# KiCad board oresat-adcs-card.kicad_pcb (continued)
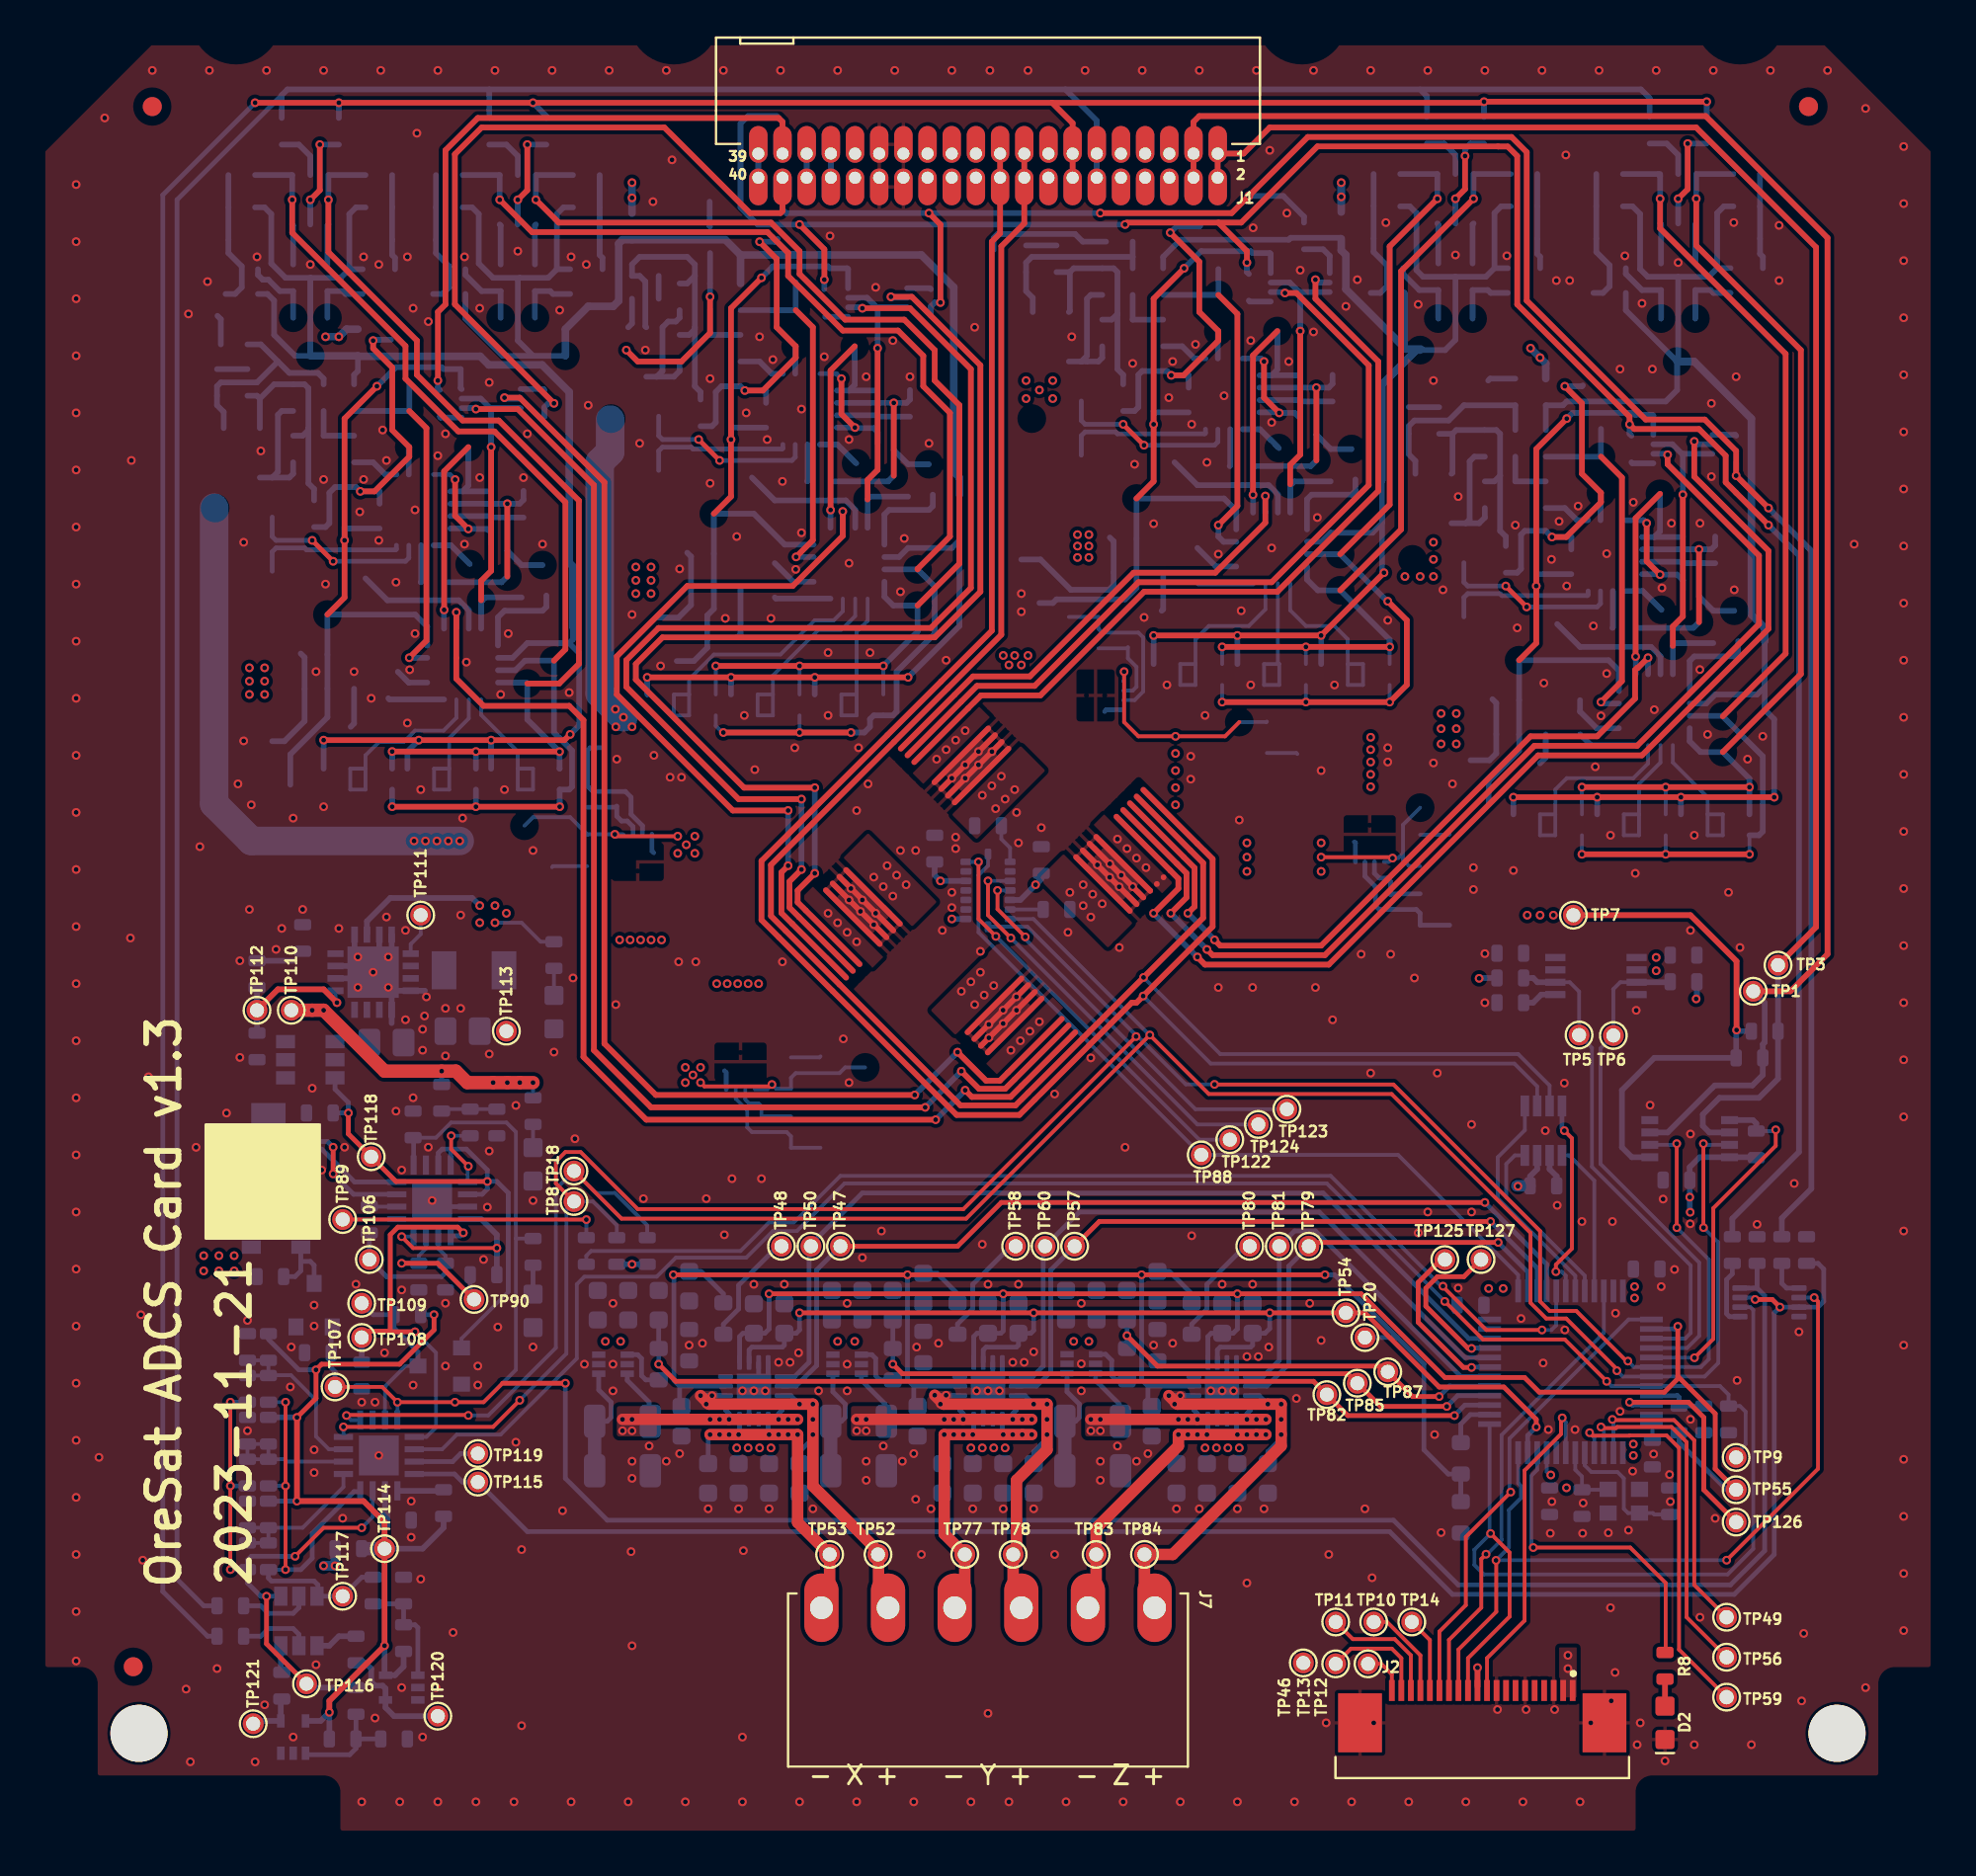
[diagram p0: board, top side]
## Placement (name value [footprint] x y rotation side) (continued)
U21  INA185  [SOT-563]  42.5 24.9 180 bottom
U22  STSPIN250  [VQFN-16-1EP_3x3mm_P0.5mm_EP1.8x1.8mm]  62.2 23.5 180 bottom
U23  INA185  [SOT-563]  54.8 24.92 180 bottom
U29  MAX7310ATE  [QFN65P400X400X80-17T210]  17.9 20.1 0 bottom
U30  MAX4211  [QFN65P400X400X80-17T210]  20.7 33.5 270 bottom
U31  TPS62111RSA  [S-PVQFN-16]  17.6 45.5 90 bottom
U32  MIC842LYC5  [SC70-5]  13.4 5.3 180 bottom
U33  MIC842LYC5  [SC70-5]  19.1 7.9 270 bottom
U41  TS5A21366DCUR  [DCU-R-PDSO-G8]  90.95 28.15 180 bottom
X2  ECS-160-10-36Q-ES-TR  [CRYSTAL_2.5X2]  83.3 17.7 180 bottom

## Library data of the parts
C5 C17-C19 C26 C27 C40-C42 C51-C56 C58-C63 C65-C68 C70-C73 C77 C100-C102 = -: ki_fp_filters: C_*
FID1-FID6 = -: ki_fp_filters: Fiducial*
J1 = -: Datasheet: https://suddendocs.samtec.com/catalog_english/tfm.pdf; DIST: Digi-Key; DPN: SAM10145-ND; MFR: Samtec; MPN: TFM-120-01-L-D-RA
J2 = -: Datasheet: https://www.te.com/usa-en/product-2-1734592-0.datasheet.pdf
J7 = -: Description: 6 Position Wire to Board Terminal Block Vertical with Board 0.138" (3.50mm) Through Hole; ki_fp_filters: Connector*:*_1x??_*
R15-R18 R20-R25 R29 R30 R130-R135 = -: ki_fp_filters: R_*
U3 U16 U22 = -: Datasheet: https://www.st.com/resource/en/datasheet/stspin250.pdf
U4 U21 U23 = -: Datasheet: https://www.ti.com/lit/ds/symlink/ina185.pdf; ki_fp_filters: SOT?23*

## Footprints (pads in the part's own frame, mm; a bottom-side part is the same pattern mirrored in y, then rotated)
1X01
  round 1.1 hole 0.737: 1(0,0)
21-0036K-L
  rect 1.06x0.376 smd: 1(-2.134,0.975) 2(-2.134,0.325) 3(-2.134,-0.325) 4(-2.134,-0.975) 5(2.134,-0.975) 6(2.134,-0.325) 7(2.134,0.325) 8(2.134,0.975)
0603-C-NOSILK
  rrect 0.6x0.9 smd: 1(-0.7,0) 2(0.7,0)
0805-B-NOSILK
  rrect 1.15x1.45 smd: 1(-0.9,0) 2(0.9,0)
C_0603_1608Metric
  rrect 0.9x0.95 smd: 1(-0.775,0) 2(0.775,0)
CRYSTAL_2.5X2
  rect 0.9x0.8 smd: 1(-0.825,-0.625) 2(0.825,-0.625) 3(0.825,0.625) 4(-0.825,0.625)
DCU-R-PDSO-G8
  rrect 0.8x0.3 smd: 1(-1.55,0.75) 2(-1.55,0.25) 3(-1.55,-0.25) 4(-1.55,-0.75) 5(1.55,-0.75) 6(1.55,-0.25) 7(1.55,0.25) 8(1.55,0.75)
ECS-MPI4040
  rect 2x1.3 smd: 1(0,1.575) 2(0,-1.575)
Fiducial_1mm_Mask2mm
  round 1 smd: (0,0)
J-SAMTEC-TFM-120-X1-XXX-D-RA
  oval 0.965x1.93 hole 0.635: 1(12.065,0.635) 2(12.065,-0.635) 3(10.795,0.635) 4(10.795,-0.635) 5(9.525,0.635) 6(9.525,-0.635) 7(8.255,0.635) 8(8.255,-0.635) 9(6.985,0.635) 10(6.985,-0.635) 11(5.715,0.635) 12(5.715,-0.635) 13(4.445,0.635) 14(4.445,-0.635) 15(3.175,0.635) 16(3.175,-0.635) 17(1.905,0.635) 18(1.905,-0.635) 19(0.635,0.635) 20(0.635,-0.635) 21(-0.635,0.635) 22(-0.635,-0.635) 23(-1.905,0.635) 24(-1.905,-0.635) 25(-3.175,0.635) 26(-3.175,-0.635) 27(-4.445,0.635) 28(-4.445,-0.635) 29(-5.715,0.635) 30(-5.715,-0.635) 31(-6.985,0.635) 32(-6.985,-0.635) 33(-8.255,0.635) 34(-8.255,-0.635) 35(-9.525,0.635) 36(-9.525,-0.635) 37(-10.795,0.635) 38(-10.795,-0.635) 39(-12.065,0.635) 40(-12.065,-0.635)
J-TE-2-1734592-0
  rect 0.3x1.1 smd: 1(-4.75,-1.7) 2(-4.25,-1.7) 3(-3.75,-1.7) 4(-3.25,-1.7) 5(-2.75,-1.7) 6(-2.25,-1.7) 7(-1.75,-1.7) 8(-1.25,-1.7) 9(-0.75,-1.7) 10(-0.25,-1.7) 11(0.25,-1.7) 12(0.75,-1.7) 13(1.25,-1.7) 14(1.75,-1.7) 15(2.25,-1.7) 16(2.75,-1.7) 17(3.25,-1.7) 18(3.75,-1.7) 19(4.25,-1.7) 20(4.75,-1.7)
  rect 2.3x3.1 smd: PAD1(6.42,0) PAD2(-6.42,0)
J-Wurth-691243100006
  oval 1.8x3.6 hole 1.2: 1(-8.75,0) 2(-5.25,0) 3(-1.75,0) 4(1.75,0) 5(5.25,0) 6(8.75,0)
LED-0603
  rrect 1x1 smd: A(-0.877,0) C(0.877,0)
MS8
  rect 0.42x0.889 smd: 1(-0.975,-2.095) 2(-0.325,-2.095) 3(0.325,-2.095) 4(0.975,-2.095) 5(0.975,2.095) 6(0.325,2.095) 7(-0.325,2.095) 8(-0.975,2.095)
ORESAT-CARD-V1.3-0RF
  round 3 hole 3 unplated: (-44.6,-44.3) (44.6,-44.3)
PQFN50P450X300X100-16N
  rrect 0.35x0.58 smd: 1(-1.5,1.16) 2(-1,1.16) 3(-0.5,1.16) 4(0,1.16) 5(0.5,1.16) 6(1,1.16) 7(1.5,1.16) 9(1.5,-1.16) 10(1,-1.16) 11(0.5,-1.16) 12(0,-1.16) 13(-0.5,-1.16) 14(-1,-1.16) 15(-1.5,-1.16)
  rrect 0.58x0.35 smd: 8(1.91,0) 16(-1.91,0)
QFN65P400X400X80-17T210
  rect 1.01x0.32 smd: 1(-1.86,0.975) 2(-1.86,0.325) 3(-1.86,-0.325) 4(-1.86,-0.975) 9(1.86,-0.975) 10(1.86,-0.325) 11(1.86,0.325) 12(1.86,0.975)
  rect 0.32x1.01 smd: 5(-0.975,-1.86) 6(-0.325,-1.86) 7(0.325,-1.86) 8(0.975,-1.86) 13(0.975,1.86) 14(0.325,1.86) 15(-0.325,1.86) 16(-0.975,1.86)
  rect 2.1x2.1 smd: EPAD(0,0)
R1206
  rect 1.6x1.803 smd: 1(-1.422,0) 2(1.422,0)
R_0603_1608Metric
  rrect 0.8x0.95 smd: 1(-0.825,0) 2(0.825,0)
R_1206_3216Metric
  rrect 1.125x1.75 smd: 1(-1.462,0) 2(1.462,0)
S-PVQFN-16
  rect 0.85x0.35 smd: 1(-1.975,0.975) 2(-1.975,0.325) 3(-1.975,-0.325) 4(-1.975,-0.975) 9(1.975,-0.975) 10(1.975,-0.325) 11(1.975,0.325) 12(1.975,0.975)
  rect 0.35x0.85 smd: 5(-0.975,-1.975) 6(-0.325,-1.975) 7(0.325,-1.975) 8(0.975,-1.975) 13(0.975,1.975) 14(0.325,1.975) 15(-0.325,1.975) 16(-0.975,1.975)
  rect 2.7x2.7 smd: PAD(0,0)
SC70-5
  rect 0.4x0.7 smd: 1(-0.65,-0.85) 2(0,-0.85) 3(0.65,-0.85) 4(0.65,0.85) 5(-0.65,0.85)
SOT23
  rect 0.787x0.889 smd: 1(-0.953,-1.143) 2(0.953,-1.143) 3(0,1.143)
SOT23-6
  rect 0.7x1 smd: 1(-0.95,-1.3) 2(0,-1.3) 3(0.95,-1.3) 4(0.95,1.3) 5(0,1.3) 6(-0.95,1.3)
SOT23-8_TI-DCN
  rect 0.45x1.1 smd: 1(-0.975,-1.3) 2(-0.325,-1.3) 3(0.325,-1.3) 4(0.975,-1.3) 5(0.975,1.3) 6(0.325,1.3) 7(-0.325,1.3) 8(-0.975,1.3)
SOT-563
  rect 0.7x0.34 smd: 1(-0.75,0.5) 2(-0.75,0) 3(-0.75,-0.5) 4(0.75,-0.5) 5(0.75,0) 6(0.75,0.5)
STM32F091C
  rect 0.3x1.2 smd: 1(-2.75,-4.25) 2(-2.25,-4.25) 3(-1.75,-4.25) 4(-1.25,-4.25) 5(-0.75,-4.25) 6(-0.25,-4.25) 7(0.25,-4.25) 8(0.75,-4.25) 9(1.25,-4.25) 10(1.75,-4.25) 11(2.25,-4.25) 12(2.75,-4.25) 25(2.75,4.25) 26(2.25,4.25) 27(1.75,4.25) 28(1.25,4.25) 29(0.75,4.25) 30(0.25,4.25) 31(-0.25,4.25) 32(-0.75,4.25) 33(-1.25,4.25) 34(-1.75,4.25) 35(-2.25,4.25) 36(-2.75,4.25)
  rect 1.2x0.3 smd: 13(4.25,-2.75) 14(4.25,-2.25) 15(4.25,-1.75) 16(4.25,-1.25) 17(4.25,-0.75) 18(4.25,-0.25) 19(4.25,0.25) 20(4.25,0.75) 21(4.25,1.25) 22(4.25,1.75) 23(4.25,2.25) 24(4.25,2.75) 37(-4.25,2.75) 38(-4.25,2.25) 39(-4.25,1.75) 40(-4.25,1.25) 41(-4.25,0.75) 42(-4.25,0.25) 43(-4.25,-0.25) 44(-4.25,-0.75) 45(-4.25,-1.25) 46(-4.25,-1.75) 47(-4.25,-2.25) 48(-4.25,-2.75)
TestPoint-0.75mm-th
  round 1.1 hole 0.75: 1(0,0)
VQFN-16-1EP_3x3mm_P0.5mm_EP1.8x1.8mm
  rrect 0.73x0.73 smd: (-0.45,-0.45) (-0.45,0.45) (0.45,-0.45) (0.45,0.45)
  rrect 0.775x0.25 smd: 1(-1.488,0.75) 2(-1.488,0.25) 3(-1.488,-0.25) 4(-1.488,-0.75) 9(1.488,-0.75) 10(1.488,-0.25) 11(1.488,0.25) 12(1.488,0.75)
  rrect 0.25x0.775 smd: 5(-0.75,-1.488) 6(-0.25,-1.488) 7(0.25,-1.488) 8(0.75,-1.488) 13(0.75,1.488) 14(0.25,1.488) 15(-0.25,1.488) 16(-0.75,1.488)
  rect 1.8x1.8 smd: 17(0,0)

## Nets
3.3V: C1.1 C3.1 C4.1 C16.1 C28.2 C29.2 C37.2 C38.2 C39.2 C41.1 C42.1 C47.1 C51.1 C54.1 C62.1 C63.1 J2.11 L3.2 R1.2 R3.2 R10.1 R11.2 R12.2 R199.2 TP113.1 U1.1 U1.2 U2.8 U4.6 U13.3 U13.7 U13.11 U14.3 U15.1 U15.9 U15.24 U15.36 U15.48 U21.6 U23.6 U31.10
GND: C1.2 C2.2 C3.2 C4.2 C5.2 C16.2 C17.2 C18.2 C19.2 C26.2 C27.2 C28.1 C29.1 C30.2 C36.2 C37.1 C38.1 C39.1 C40.2 C41.2 C42.2 C43.1 C45.2 C46.2 C47.2 C48.2 C49.2 C50.2 C51.2 C52.2 C53.2 C54.2 C55.2 C56.2 C58.2 C59.2 C60.2 C61.2 C62.2 C63.2 C65.2 C66.2 C67.2 C68.2 C70.2 C71.2 C72.2 C73.2 C77.2 C99.1 C100.2 C101.2 C102.2 D2.C D16.C D17.C D18.C J1.27 J1.28 J1.29 J1.30 J2.3 J2.6 J2.9 J2.PAD1 J2.PAD2 Q28.2 Q29.2 R2.1 R4.1 R5.1 R7.1 R18.2 R21.1 R24.2 R30.2 R124.1 R129.1 R133.1 R134.1 R135.1 R203.1 R207.1 R211.1 R216.1 R218.1 R220.1 R222.1 R224.1 R228.1 TP46.1 U1.4 U2.4 U3.7 U3.15 U3.16 U3.17 U4.2 U4.5 U13.4 U13.6 U14.2 U15.8 U15.23 U15.35 U15.47 U16.7 U16.15 U16.16 U16.17 U21.2 U21.5 U22.7 U22.15 U22.16 U22.17 U23.2 U23.5 U29.6 U29.EPAD U30.7 U30.EPAD U31.1 U31.6 U31.7 U31.9 U31.11 U31.12 U31.16 U31.PAD U32.2 U33.2 U41.4 X2.2 X2.4
VBUS: J1.23 J1.24 J1.25 J1.26 Q27.4 R215.2
VBUSP: C26.1 C44.2 C45.1 C46.1 C52.1 C58.1 C60.1 C70.1 C72.1 J2.1 J2.2 Q26.1 Q26.2 Q26.5 Q26.6 R198.2 R227.2 TP110.1 U3.6 U16.6 U22.6 U31.2 U31.3 U31.4 U31.8
/Card Power Domain/AD0: R201.1 R202.2 R203.2 R204.1 U29.1
/Card Power Domain/AD1: R205.1 R206.2 R207.2 R208.1 U29.2
/Card Power Domain/AD2: R209.1 R210.2 R211.2 R212.1 U29.3
/Card Power Domain/CB-RESET: R218.2 TP108.1 U29.9 U30.9
/Card Power Domain/CB_CTRL: Q26.3 Q29.1 R223.1 TP118.1 U30.3 U30.4 U30.6
/Card Power Domain/ON/~{OFF}: C48.1 C99.2 Q28.1 R216.2 R267.2 TP107.1 U29.8 U30.1 U41.8
/Card Power Domain/PEN-SCL-FILT: Q30.4 R202.1 R206.1 R210.1 R273.2 TP116.1 U29.15
/Card Power Domain/PEN-SDA-FILT: Q30.6 R204.2 R208.2 R212.2 R269.2 TP117.1 U29.16
/Card Power Domain/~{FAULT}: Q29.3 R226.1 TP109.1 U29.7
/Magnetorquers/MT_REF: C5.1 C53.1 C65.1 R20.1 R21.2 TP20.1 U3.11 U16.11 U22.11
/Microcontroller/PA0: R8.2 U15.10
BOOT0: R7.2 TP9.1 U15.44 U29.10
C3-UART-RX: J1.38 R122.1
C3-UART-TX: J1.37 R123.1
CAN1_H: J1.33 J1.34
CAN1_L: J1.35 J1.36
CAN2_H: U14.7
CAN2_L: U14.6
CAN_RX: U14.4 U15.32
CAN_SHDN: U14.5 U15.31
CAN_TX: U14.1 U15.33
IMU_INT1: TP88.1 U13.16 U15.25
IMU_INT2: TP122.1 U13.1
IMU_INT3: TP123.1 U13.12
IMU_INT4: TP124.1 U13.13
MAG_PWR: C2.1 J1.5 J1.6 R6.1 R13.1 TP7.1 U1.7 U1.8 U2.1
MAG_READY: R10.2 U2.5 U15.41
MAG_SCL: J1.3 J1.4 R13.2 TP1.1 U2.3
MAG_SDA: J1.1 J1.2 R6.2 TP3.1 U2.6
MAG_~{EN}: R3.1 TP6.1 U1.3 U15.40
MAG_~{FAULT}: R1.1 TP5.1 U1.6 U15.39
MT_EN: R22.1 R129.2 U15.45
MT_EN/~{FAULT}: C17.1 C66.1 C77.1 R22.2 TP55.1 U3.13 U15.38 U16.13 U22.13
MT_ILIM: R20.2 U15.14
MT_STBY/RST: C18.1 C55.1 C67.1 TP54.1 U3.14 U15.11 U16.14 U22.14
MT_X_ISENSE: C100.1 R130.2 TP82.1 U15.15
MT_X_OUT_A: C40.1 J7.5 TP52.1 U3.3 U3.10
MT_X_OUT_B: C27.1 J7.6 TP53.1 U3.5 U3.8
MT_X_PHASE: TP50.1 U3.1 U15.22
MT_X_PWM: TP47.1 U3.2 U15.28
MT_Y_ISENSE: C101.1 R131.2 TP85.1 U15.16
MT_Y_OUT_A: C61.1 J7.3 TP78.1 U16.3 U16.10
MT_Y_OUT_B: C59.1 J7.4 TP77.1 U16.5 U16.8
MT_Y_PHASE: TP60.1 U15.20 U16.1
MT_Y_PWM: TP57.1 U15.27 U16.2
MT_Z_ISENSE: C102.1 R132.2 TP87.1 U15.17
MT_Z_OUT_A: C73.1 J7.1 TP84.1 U22.3 U22.10
MT_Z_OUT_B: C71.1 J7.2 TP83.1 U22.5 U22.8
MT_Z_PHASE: TP81.1 U15.18 U22.1
MT_Z_PWM: TP79.1 U15.26 U22.2
NRESET: J2.10 U15.7
OPD_PWR: J1.15 J1.16 R200.1
OPD_SCL: J1.13 J1.14 R271.1
OPD_SDA: J1.11 J1.12 R213.1
PA2/USART2_TX: J2.13 U15.12 U41.2
PA3/USART2_RX: J2.12 U15.13 U41.6
PA8/POUTPROT: R9.2 U15.29
PA9/CAN_SILENT: U14.8 U15.30
PB6/SCL: R11.1 TP8.1 U2.2 U13.8 U15.42 U29.4
PB7/SDA: R12.1 TP18.1 U2.7 U13.9 U15.43 U29.5
POUT: R9.1 TP89.1 U30.13
SPARE7: J1.7
SPARE8: J1.8
SPARE9: J1.9
SPARE10: J1.10
SPARE21: J1.21
SPARE22: J1.22
SPARE31: J1.31
SPARE32: J1.32
SWCLK: J2.15 U15.37
SWDIO: J2.14 U15.34
VPD: C43.2 R200.2 R201.2 R205.2 R209.2 R214.2 R226.2 R270.2 R274.2 TP114.1 U29.14 U32.5 U33.5
~{SD}: J1.39 J1.40
Net-(C19-Pad1): C19.1 R17.2
Net-(C44-Pad1): C44.1 R224.2 R225.2
Net-(C56-Pad1): C56.1 R23.2
Net-(C68-Pad1): C68.1 R29.2
Net-(D2-PadA): D2.A R8.1
Net-(D16-PadA): D16.A R198.1
Net-(D17-PadA): D17.A R199.1
Net-(D18-PadA): D18.A R267.1
Net-(J1-Pad17): J1.17 J1.18
Net-(J1-Pad19): J1.19 J1.20
Net-(J2-DEBUG-0): J2.17 TP10.1
Net-(J2-DEBUG-1): J2.18 TP11.1
Net-(J2-DEBUG-2): J2.19 TP12.1
Net-(J2-DEBUG-3): J2.20 TP13.1
Net-(J2-SWO): J2.16 TP14.1
Net-(L3-Pad1): L3.1 U31.14 U31.15
Net-(Q26-S): Q26.4 R217.2 R223.2 U30.15
Net-(Q27-G): Q27.3 Q28.3 R215.1
Net-(Q30A-G): Q30.1 R268.2
Net-(Q30A-S): Q30.5 R213.2
Net-(Q30B-G): Q30.3 R272.2
Net-(Q30B-S): Q30.2 R271.2
Net-(R130-Pad1): R130.1 U4.1
Net-(R131-Pad1): R131.1 U21.1
Net-(R132-Pad1): R132.1 U23.1
Net-(U1-SET): R2.2 U1.5
Net-(U3-SENSEA): R15.2 U3.4 U3.9 U4.3
Net-(U3-TOFF): R17.1 R18.1 TP48.1 U3.12
Net-(U4--): R15.1 R133.2 U4.4
Net-(U13-SDO1): R5.2 U13.15
Net-(U13-SDO2): R4.2 U13.10
Net-(U15-PB1): TP125.1 U15.19
Net-(U15-PB9): TP126.1 U15.46
Net-(U15-PB10): TP127.1 U15.21
Net-(U15-PC13): TP49.1 U15.2
Net-(U15-PC14-OSC32_IN): TP56.1 U15.3
Net-(U15-PC15-OSC32_OUT): TP59.1 U15.4
Net-(U15-PF0-OSC_IN): C36.1 U15.5 X2.1
Net-(U15-PF1-OSC_OUT): C30.1 U15.6 X2.3
Net-(U16-SENSEA): R16.2 U16.4 U16.9 U21.3
Net-(U16-TOFF): R23.1 R24.1 TP58.1 U16.12
Net-(U21--): R16.1 R134.2 U21.4
Net-(U22-SENSEA): R25.2 U22.4 U22.9 U23.3
Net-(U22-TOFF): R29.1 R30.1 TP80.1 U22.12
Net-(U23--): R25.1 R135.2 U23.4
Net-(U29-IO6): TP119.1 U29.11
Net-(U29-IO7): R124.2 TP115.1 U29.12 U41.3 U41.7
Net-(U29-~{RESET}): R214.1 U29.13
Net-(U30-CIN1+): R219.1 R220.2 TP106.1 U30.10
Net-(U30-CIN1-): R221.1 R222.2 TP90.1 U30.11
Net-(U30-CIN2+): R221.2 U30.8 U30.12
Net-(U30-INHIBIT): R225.1 U30.5
Net-(U30-IOUT): R219.2 U30.14
Net-(U30-RS+): Q27.1 Q27.2 Q27.5 Q27.6 R217.1 U30.16
Net-(U31-PG): TP111.1 U31.13
Net-(U31-SYNC): R227.1 R228.2 TP112.1 U31.5
Net-(U32-INP): C50.1 R273.1 R274.1 U32.1
Net-(U32-OUT): R272.1 TP121.1 U32.4
Net-(U33-INP): C49.1 R269.1 R270.1 U33.1
Net-(U33-OUT): R268.1 TP120.1 U33.4
Net-(U41-NO1): R122.2 U41.1
Net-(U41-NO2): R123.2 U41.5

Pads without a net: J2 4 5 7 8; U13 2 5 14; U30 2; U32 3; U33 3

## Via types
v1: diameter 0.457, hole 0.254, Top to Bottom, 1130 vias

## Routing (per net, layer and track width the routed paths; a pad name or vN(x,y) marks a point on that pad's centre or on a via; arc(x,y) is an arc through that point)
3.3V: length 48.4
  Top w0.3: 75.61,7.95 v1(75.61,8.95)
  In1.Cu w0.3: v1(52.4,50.1) 51.9,49.6 51.9,48.3 ; v1(47.4,50.3) 48.4,50.3 49.5,49.2 51,49.2 51.9,48.3 ; 51.9,48.3 v1(48,48.3) ; 51.9,48.3 55.85,44.35
  Bottom w0.2: U15.9 79.25,19.25 79.4,19.1 ; C28.2 84.8,21.7 U15.48 ; R199.2 26.4,47.1 25.4,48.1 v1(24,48.1)
  Bottom w0.3: C4.1 52.7,50.4 v1(52.4,50.1) 51.6,49.3 U13.11 ; C16.1 47.1,50.6 v1(47.4,50.3) U13.3 ; R12.2 v1(31.2,30.15) R11.2 ; 75.64,45.2 R1.2 ; U13.7 v1(48,48.3) ; C37.2 78.38,34.78 78.75,35.15 U14.3 ; R10.1 90.23,35.78 U2.8 87.28,35.78 86.76,35.25 86.76,34.58 C3.1 v1(86.76,33.68) 86.76,32.91 v1(86.79,32.89) ; U31.10 17.28,48.18 18.5,49.4 22.8,49.4 v1(23.2,49) ; R3.2 87.14,44.14 v1(87.1,44.1)
  Bottom w0.6: C37.2 77.68,34.28
  vias: v1(23.2,48.1) v1(24,49) v1(24.6,48.6) v1(29.8,26.1) v1(30.6,26.1) v1(42,26.1) v1(42.9,26.1) v1(54.4,26.1) v1(55.2,26.1) v1(75.7,45.18) v1(76.2,28.88) v1(76.96,28.88) v1(77.74,34.25) v1(79.46,19.08) v1(80.29,18.4) v1(83.8,20.7) v1(83.8,20.1) v1(83.86,28.98) v1(83.86,28.38) v1(85,46.28) v1(85,45.58)
GND: length 102
  Top w0.3: 54.53,51.55 57.35,48.73 ; 49.89,41.29 52.71,44.11 ; 44.57,47.34 41.74,50.17 ; 47.79,54.78 48.7,55.69 v1(48.7,55.7) v1(49.4,56.4) 49.41,56.4 v1(50.11,57.09) 50.62,57.61 ; 52.36,44.47 v1(51.4,43.5) v1(50.7,42.8) v1(49.95,42.05) 49.53,41.64 ; 42.09,50.52 44.92,47.69 ; 57.71,49.08 v1(56.79,49.99) v1(56.29,50.49) v1(55.64,51.14) 54.88,51.91 ; 47.44,55.13 48,55.69 v1(48,55.7) v1(48.7,56.4) v1(49.4,57.1) 49.41,57.1 50.27,57.96 ; 47.09,55.49 49.91,58.31 ; 58.41,49.79 55.59,52.61 ; 50.97,57.25 48.15,54.43 ; 52.01,44.82 v1(51.39,44.21) v1(50.69,43.51) v1(49.94,42.76) 49.18,41.99 ; 51.65,45.17 48.83,42.35 ; 41.39,49.81 44.21,46.99 ; 58.06,49.43 57.5,49.99 v1(57.5,50) v1(56.9,50.6) v1(56.3,51.2) 56.29,51.2 55.23,52.26 ; 42.45,50.87 45.27,48.05
  Bottom w0.25: v1(50.5,23.5) 50.65,23.65 U16.16 ; U3.7 37.35,23.25 v1(37.6,23.5) 37.85,23.75 U3.15 ; 56.03,59.21 56.12,59.3 57,59.3 ; 69.2,51.3 69.2,52.3 69.15,52.35 ; U22.7 61.95,23.25 v1(62.2,23.5) 62.45,23.75 U22.15 ; U3.16 38.35,23.65 v1(38.2,23.5) ; 36.06,40.32 36.15,40.23 36.15,39.35 ; U16.7 49.65,23.25 v1(49.9,23.5) 50.15,23.75 U16.15 ; U30.7 21.03,33.18 v1(20.7,33.5) ; v1(62.8,23.5) 62.95,23.65 U22.16 ; 32.25,52.75 32.25,51.87 32.34,51.78
  Bottom w0.3: 15.62,45.83 17.28,45.83 v1(17.6,45.5) ; 18.58,44.53 U31.16 20.32,44.53 ; 18.58,44.53 U31.1 18.58,42.83 ; 18.58,44.53 v1(17.6,45.5) ; v1(17.6,45.5) 17.93,45.83 U31.11 ; v1(17.6,45.5) 18.58,46.48 U31.12 ; v1(17.6,45.5) 17.28,45.18 15.62,45.18 ; v1(17.6,45.5) 16.62,46.48 16.62,47.48 ; U14.2 79.4,35.15 79.78,34.78 C37.1
  vias: v1(2,86.9) v1(2,83.9) v1(2,80.9) v1(2,77.9) v1(2,74.9) v1(2,71.9) v1(2,68.9) v1(2,65.9) v1(2,62.9) v1(2,59.9) v1(2,56.9) v1(2,53.9) v1(2,50.9) v1(2,47.9) v1(2,44.9) v1(2,41.9) v1(2,38.9) v1(2,35.9) v1(2,32.9) v1(2,29.9) v1(2,26.9) v1(2,23.9) v1(2,20.9) v1(2,17.9) v1(2,14.9) v1(2,11.9) v1(2,9.3) v1(3.2,20) v1(3.5,90.4) v1(4.9,72.4) v1(4.85,47.3) v1(5.4,27.5) v1(5.5,14.6) v1(5.8,40) v1(6,92.9) v1(7.78,7.83) v1(7.9,80.1) v1(8,4) v1(8.3,36.3) v1(8.5,52.1) v1(8.9,81.8) v1(9,92.9) v1(9.4,8.9) v1(9.9,38.1) v1(10.5,55.4) v1(10.6,46.1) v1(10.6,41.02) v1(10.8,68.1) v1(10.8,57.66) v1(11,27.2) v1(11,21.4) v1(11,17) v1(11.1,48.8) v1(11.2,54.3) v1(11.4,4) v1(11.5,83.1) v1(11.7,72.9) v1(11.9,7) v1(12,92.9) v1(12.5,46.7) v1(12.8,47.8) v1(13.25,23.7) v1(13.3,25.8) v1(13.4,53.6) v1(13.4,5.3) v1(13.9,48.8) v1(14.3,82.7) v1(14.4,39.4) v1(14.5,28) v1(14.5,26.9) v1(14.5,20.4) v1(14.5,19.2) v1(14.6,61.3) v1(14.6,9.1) v1(14.9,35.1) v1(15,92.9) v1(15,71.4) v1(15,54.2) v1(15.1,65.9) v1(15.8,47.8) v1(16,16.8) v1(16.1,36.3) v1(16.6,61.3) v1(16.7,29.1) v1(16.8,46.3) v1(16.8,44.7) v1(16.9,69.7) v1(17,22.9) v1(17,1.9) v1(17.1,83.1) v1(17.1,71.4) v1(17.5,59.9) v1(17.7,22.9) v1(17.7,6.3) v1(17.9,82.7) v1(17.9,68.2) v1(17.9,20.1) v1(18,92.9) v1(18.1,74) v1(18.2,25.5) v1(18.3,72.4) v1(18.3,48.4) v1(18.4,46.3) v1(18.4,44.7) v1(18.8,66) v1(18.8,38.2) v1(19,1.9) v1(19.1,35.1) v1(19.1,28.8) v1(19.1,7.9) v1(19.3,47.7) v1(19.3,43) v1(19.4,83.1) v1(19.4,58.6) v1(19.52,61.4) v1(19.6,17.7) v1(19.6,15.8) v1(19.7,80.4) v1(19.7,38.9) v1(19.7,23.8) v1(19.8,69.8) v1(19.8,63.3) v1(19.9,89.6) v1(20.1,55.1) v1(20.1,13.6) v1(20.2,42.5) v1(20.2,41.4) v1(20.2,5.3) v1(20.3,43.2) v1(20.4,44.2) v1(20.5,79.7) v1(20.5,36.3) v1(20.9,7.9) v1(21,92.9) v1(21,72.65) v1(21,1.9) v1(21.4,73.8) v1(21.4,43.6) v1(21.4,41.1) v1(21.4,28.1) v1(21.4,24.8) v1(21.8,10.8) v1(22.2,48.5) v1(22.2,43.6) v1(22.3,53.6) v1(22.4,83.1) v1(22.4,68) v1(22.5,61.8) v1(23,1.9) v1(23.1,24.8) v1(23.1,23.8) v1(23.2,80.4) v1(23.2,71.5) v1(23.4,30.4) v1(23.6,33.15) v1(23.7,76.5) v1(23.7,41.2) v1(23.7,36.1) v1(24,92.9) v1(24.15,26.85) v1(24.3,60.1) v1(24.5,55.1) v1(24.7,63.3) v1(25,1.9) v1(25.1,38.5) v1(25.1,20.8) v1(25.2,83.4) v1(25.4,15.16) v1(25.4,5.9) v1(25.5,71.5) v1(25.7,73.8) v1(26,51.9) v1(26,33.5) v1(26,25.8) v1(26.5,68) v1(27,92.9) v1(27.1,41.3) v1(27.4,80.3) v1(27.55,17.2) v1(27.9,60.2) v1(28,83.1) v1(28,1.9) v1(28.1,45.2) v1(28.2,36.75) v1(28.7,24.9) v1(28.8,82.7) v1(28.9,75.3) v1(30,92.9) v1(30.2,28.1) v1(30.2,24.9) v1(30.2,23.5) v1(30.35,43.8) v1(30.4,56.7) v1(31,1.9) v1(31.2,64.3) v1(31.2,19.8) v1(31.2,18.9) v1(31.15,15.05) v1(31.2,10.1) v1(31.6,73.3) v1(31.8,33.6) v1(31.9,78.2) v1(32.1,20.6) v1(32.3,86) v1(32.35,56.9) v1(32.7,61.6) v1(33,92.9) v1(33,19.8) v1(33.2,55.75) v1(33.3,88.2) v1(33.65,46.05) v1(33.7,66.7) v1(33.7,20.2) v1(33.8,55.75) v1(34,1.9) v1(34.2,25.9) v1(34.55,46.05) v1(34.9,26) v1(35.1,33.6) v1(35.2,17.3) v1(35.3,76.7) v1(35.3,71.2) v1(36,92.9) v1(36.1,64.1) v1(36.05,31.7) v1(36.45,34.65) v1(36.7,68.4) v1(36.8,17.3) v1(37,23.5) v1(37,5.3) v1(37,1.9) v1(37.1,59) v1(37.05,15.1) v1(37.2,74.9) v1(37.65,56.15) v1(37.6,29.1) v1(37.9,78.9) v1(38,34.65) v1(38.3,73.5) v1(38.4,17.3) v1(38.5,64.1) v1(38.6,77.7) v1(38.9,25) v1(39,92.9) v1(39.1,71.3) v1(39.1,46.05) v1(39.2,29.1) v1(39.5,25) v1(39.75,57.3) v1(39.8,66.68) v1(39.95,25.5) v1(40,1.9) v1(40.1,75.1) v1(40.1,68.6) v1(40.7,17.3) v1(41,23.5) v1(41.3,77.85) v1(41.5,62.3) v1(41.5,59) v1(41.6,84.2) v1(42,92.9) v1(42.3,42) v1(42.5,28.1) v1(42.5,24.9) v1(42.5,23.5) v1(42.6,73.5) v1(42.6,67) v1(42.6,49.3) v1(42.6,39.7) v1(42.7,49.9) v1(43,54) v1(43,1.9) v1(43.1,57.3) v1(43.2,48.7) v1(43.3,49.3) v1(43.3,30.5) v1(43.5,76.8) v1(43.5,19.8) v1(43.5,18.8) v1(43.6,55.4) v1(43.7,62.3) v1(43.9,48) v1(44,81.5) v1(44,48.6) v1(44.3,31.9) v1(44.4,20.6) v1(44.9,78.7) v1(45,92.9) v1(45.3,65.5) v1(45.3,51.9) v1(45.4,19.8) v1(45.5,68.3) v1(45.8,76.8) v1(46,20.2) v1(46,1.9) v1(46.1,51.9) v1(46.1,17.8) v1(46.15,25.8) v1(46.4,14.9) v1(46.8,73.3) v1(46.9,17.3) v1(47.3,26) v1(47.5,47.7) v1(47.7,61.9) v1(48,92.9) v1(48,49.7) v1(48,48.9) v1(48.2,52.6) v1(48.2,52) v1(49,1.9) v1(49.1,17.3) v1(49.2,79.4) v1(49.3,23.5) v1(49.5,46.6) v1(49.6,31.2) v1(49.9,29.1) v1(49.9,6.55) v1(50,92.9) v1(50.7,17.3) v1(51,1.9) v1(51.2,25) v1(51.4,53.9) v1(51.5,52.3) v1(51.5,29.1) v1(51.65,65.4) v1(51.65,64.45) v1(51.8,25) v1(52,92.9) v1(52.3,25.55) v1(52.3,17.3) v1(52.7,53.1) v1(53.4,39.1) v1(53.4,14.9) v1(54,1.9) v1(54.1,47.6) v1(54.3,78.9) v1(54.8,28.1) v1(54.8,24.92) v1(54.8,23.5) v1(55,92.9) v1(55.3,41) v1(55.8,19.8) v1(55.8,18.8) v1(56.7,20.6) v1(56.8,46.8) v1(57,1.9) v1(57.1,36.3) v1(57.5,77.5) v1(57.6,72.2) v1(57.7,19.8) v1(58,92.9) v1(58.1,64.15) v1(58.3,20.2) v1(58.6,69.08) v1(58.6,25.9) v1(59.3,60.6) v1(59.4,75.7) v1(59.6,77.6) v1(59.6,26) v1(59.8,17.3) v1(60,1.9) v1(60.6,74.3) v1(60.55,56.85) v1(60.55,55.65) v1(60.6,31.65) v1(60.8,78.5) v1(61,92.9) v1(61,17.3) v1(61.3,59) v1(61.4,72.3) v1(61.6,23.5) v1(62,67.48) v1(62,44.7) v1(62.2,29.1) v1(62.3,75.8) v1(63,17.3) v1(63,1.9) v1(63.1,53.5) v1(63.2,64.5) v1(63.5,25.3) v1(63.5,13.4) v1(63.7,78.7) v1(63.7,60.6) v1(63.83,84.63) v1(63.8,44.7) v1(63.8,29.1) v1(64,92.9) v1(64.1,25.3) v1(64.4,17.3) v1(64.65,25.8) v1(64.7,88.7) v1(64.8,74.4) v1(64.8,67.8) v1(65.6,85.4) v1(65.7,77.6) v1(66,1.9) v1(66.1,23.1) v1(66.3,82.4) v1(66.8,28.1) v1(67,92.9) v1(67,79.16) v1(67.1,44.7) v1(67.2,69.4) v1(67.4,56.1) v1(67.4,26.15) v1(67.66,6.05) v1(67.8,14.9) v1(68,43) v1(68.1,60.6) v1(68.7,80.5) v1(69,1.9) v1(69.3,81.9) v1(69.5,46.45) v1(69.7,17.3) v1(70,92.9) v1(70,40.2) v1(70.08,13.68) v1(70.16,6.05) v1(70.8,84.9) v1(70.9,64) v1(70.9,57.3) v1(70.9,56.55) v1(71.05,46.45) v1(72,1.9) v1(72.3,45.2) v1(72.5,80.6) v1(72.5,31.8) v1(73,92.9) v1(73,32.9) v1(73.3,76.6) v1(73.3,56.5) v1(73.36,21.2) v1(73.5,40.2) v1(73.7,16.05) v1(73.8,65.6) v1(74.3,55.4) v1(74.46,83.2) v1(74.6,70.5) v1(74.6,28.9) v1(75,1.9) v1(75.3,37.5) v1(75.3,32.9) v1(75.4,51) v1(75.4,49.85) v1(76,92.9) v1(76,46.48) v1(76,43.9) v1(76.66,6.75) v1(77.16,83.16) v1(77.5,50.85) v1(77.6,69) v1(77.7,63.6) v1(77.9,27.3) v1(78,1.9) v1(78.16,6.75) v1(79,92.9) v1(79.1,60.7) v1(79.06,24.96) v1(79.18,37.18) v1(79.34,21.46) v1(79.44,16.01) v1(79.5,67.2) v1(79.52,17.68) v1(79.66,6.75) v1(79.75,81.86) v1(79.8,33.25) v1(79.9,69.2) v1(80.18,39.68) v1(80.2,26.7) v1(80.25,88.46) v1(80.3,65.8) v1(80.46,81.86) v1(80.74,21.46) v1(80.9,70) v1(81,1.9) v1(81.1,32.4) v1(81.14,16.01) v1(81.16,17.6) v1(81.56,6.05) v1(81.7,63.7) v1(81.8,56.3) v1(82,92.9) v1(82.1,58.98) v1(82.4,67.5) v1(82.4,61.2) v1(82.49,16.04) v1(82.6,52.7) v1(82.6,12.1) v1(82.64,7.2) v1(82.7,32.4) v1(82.84,8.7) v1(82.86,27.58) v1(83.1,77.2) v1(83.1,22.42) v1(83.36,83.16) v1(83.54,16.18) v1(83.8,70.2) v1(83.76,19.28) v1(83.9,50.7) v1(83.95,43.5) v1(84,4.9) v1(84.16,6.05) v1(84.25,80.66) v1(84.68,38.52) v1(84.8,77.2) v1(84.9,59.3) v1(84.86,20.18) v1(85,92.9) v1(85.3,65.7) v1(85.26,28.98) v1(85.36,33.58) v1(85.46,4.05) v1(85.7,19.1) v1(85.74,17.68) v1(85.8,69.1) v1(85.96,29.88) v1(86.16,82.8) v1(86.8,47.7) v1(86.8,37) v1(86.79,32.28) v1(86.8,22) v1(87,52.7) v1(87,4.9) v1(87.3,69.1) v1(87.29,61.41) v1(87.3,11.6) v1(87.7,58) v1(87.9,75.4) v1(87.9,71.55) v1(88,92.9) v1(88.1,16.8) v1(88.8,49.7) v1(89.08,84.91) v1(89.1,65.6) v1(89.2,76.8) v1(89.25,24.05) v1(89.4,46.8) v1(89.8,56.7) v1(90,4.9) v1(90.3,32.25) v1(90.6,57.9) v1(91,92.9) v1(91.46,84.76) v1(91.46,81.86) v1(92.25,34.4) v1(92.5,26.6) v1(92.64,7.2) v1(92.75,10.75) v1(94,92.9) v1(95.4,68) v1(96,90.9) v1(96,7.9) v1(98,88.9) v1(98,85.9) v1(98,82.9) v1(98,79.9) v1(98,76.9) v1(98,73.9) v1(98,70.9) v1(98,67.9) v1(98,64.9) v1(98,61.9) v1(98,58.9) v1(98,55.9) v1(98,52.9) v1(98,49.9) v1(98,46.9) v1(98,43.9) v1(98,40.9) v1(98,37.9) v1(98,31.9) v1(98,25.9) v1(98,19.9) v1(98,16.9) v1(98,13.9) v1(98,10.9)
VBUS:
  vias: v1(8.7,30.6) v1(8.7,29.8) v1(9.5,30.6) v1(9.5,29.8) v1(10.3,30.6) v1(10.3,29.8) v1(11.1,61.5) v1(11.1,60.8) v1(11.1,60.1) v1(11.9,61.5) v1(11.9,60.8) v1(11.9,60.1) v1(31.4,66.8) v1(31.4,66.1) v1(31.4,65.4) v1(32.2,66.8) v1(32.2,66.1) v1(32.2,65.4) v1(54.6,68.5) v1(54.6,67.9) v1(54.6,67.3) v1(55.2,68.5) v1(55.2,67.9) v1(55.2,67.3) v1(73.7,59.1) v1(73.7,58.3) v1(73.7,57.5) v1(74.5,59.1) v1(74.5,58.3) v1(74.5,57.5)
VBUSP: length 17.7
  Top w0.7: TP110.1 v1(14.4,43.5) v1(15,43.5) 18.2,40.3 v1(21.2,40.3) 21.95,40.3 22.55,39.7 v1(23.9,39.7) v1(24.65,39.7) v1(25.3,39.7) v1(26,39.7)
  Bottom w0.2: R198.2 v1(26,39.7)
  Bottom w0.25: v1(21.2,40.3) C44.2
  Bottom w0.3: R227.2 13.4,46.1
  vias: v1(36.7,20.5) v1(37.3,20.5) v1(37.9,20.5) v1(38.5,20.5) v1(49,20.5) v1(49.6,20.5) v1(50.2,20.5) v1(50.8,20.5) v1(61.3,20.5) v1(61.9,20.5) v1(62.5,20.5) v1(63.1,20.5) v1(80.36,9.6) v1(80.36,8.9)
(no net): length 2760.1
  Top w0.2: 63.1,58.65 62.35,57.9 v1(59.75,57.9) 57.8,57.9 57.05,58.65 v1(57.05,61.3) ; v1(34.8,39.7) 35,39.5 38.45,39.5 v1(38.55,39.6) ; v1(33.6,52.65) 30.4,52.65 v1(30.3,52.75) ; v1(71.15,51.5) 71.1,51.55 v1(67.4,51.55)
  Top w0.25: v1(35.8,72.4) v1(34.7,73.5) ; v1(78.19,64.7) 77.1,65.79 v1(77.1,65.8) ; v1(58.09,73.2) 57,74.29 v1(57,74.3) ; v1(14.4,68.2) v1(15.5,67.1)